# Altium PCB top.PcbDoc (part 3 of 5) (continued)
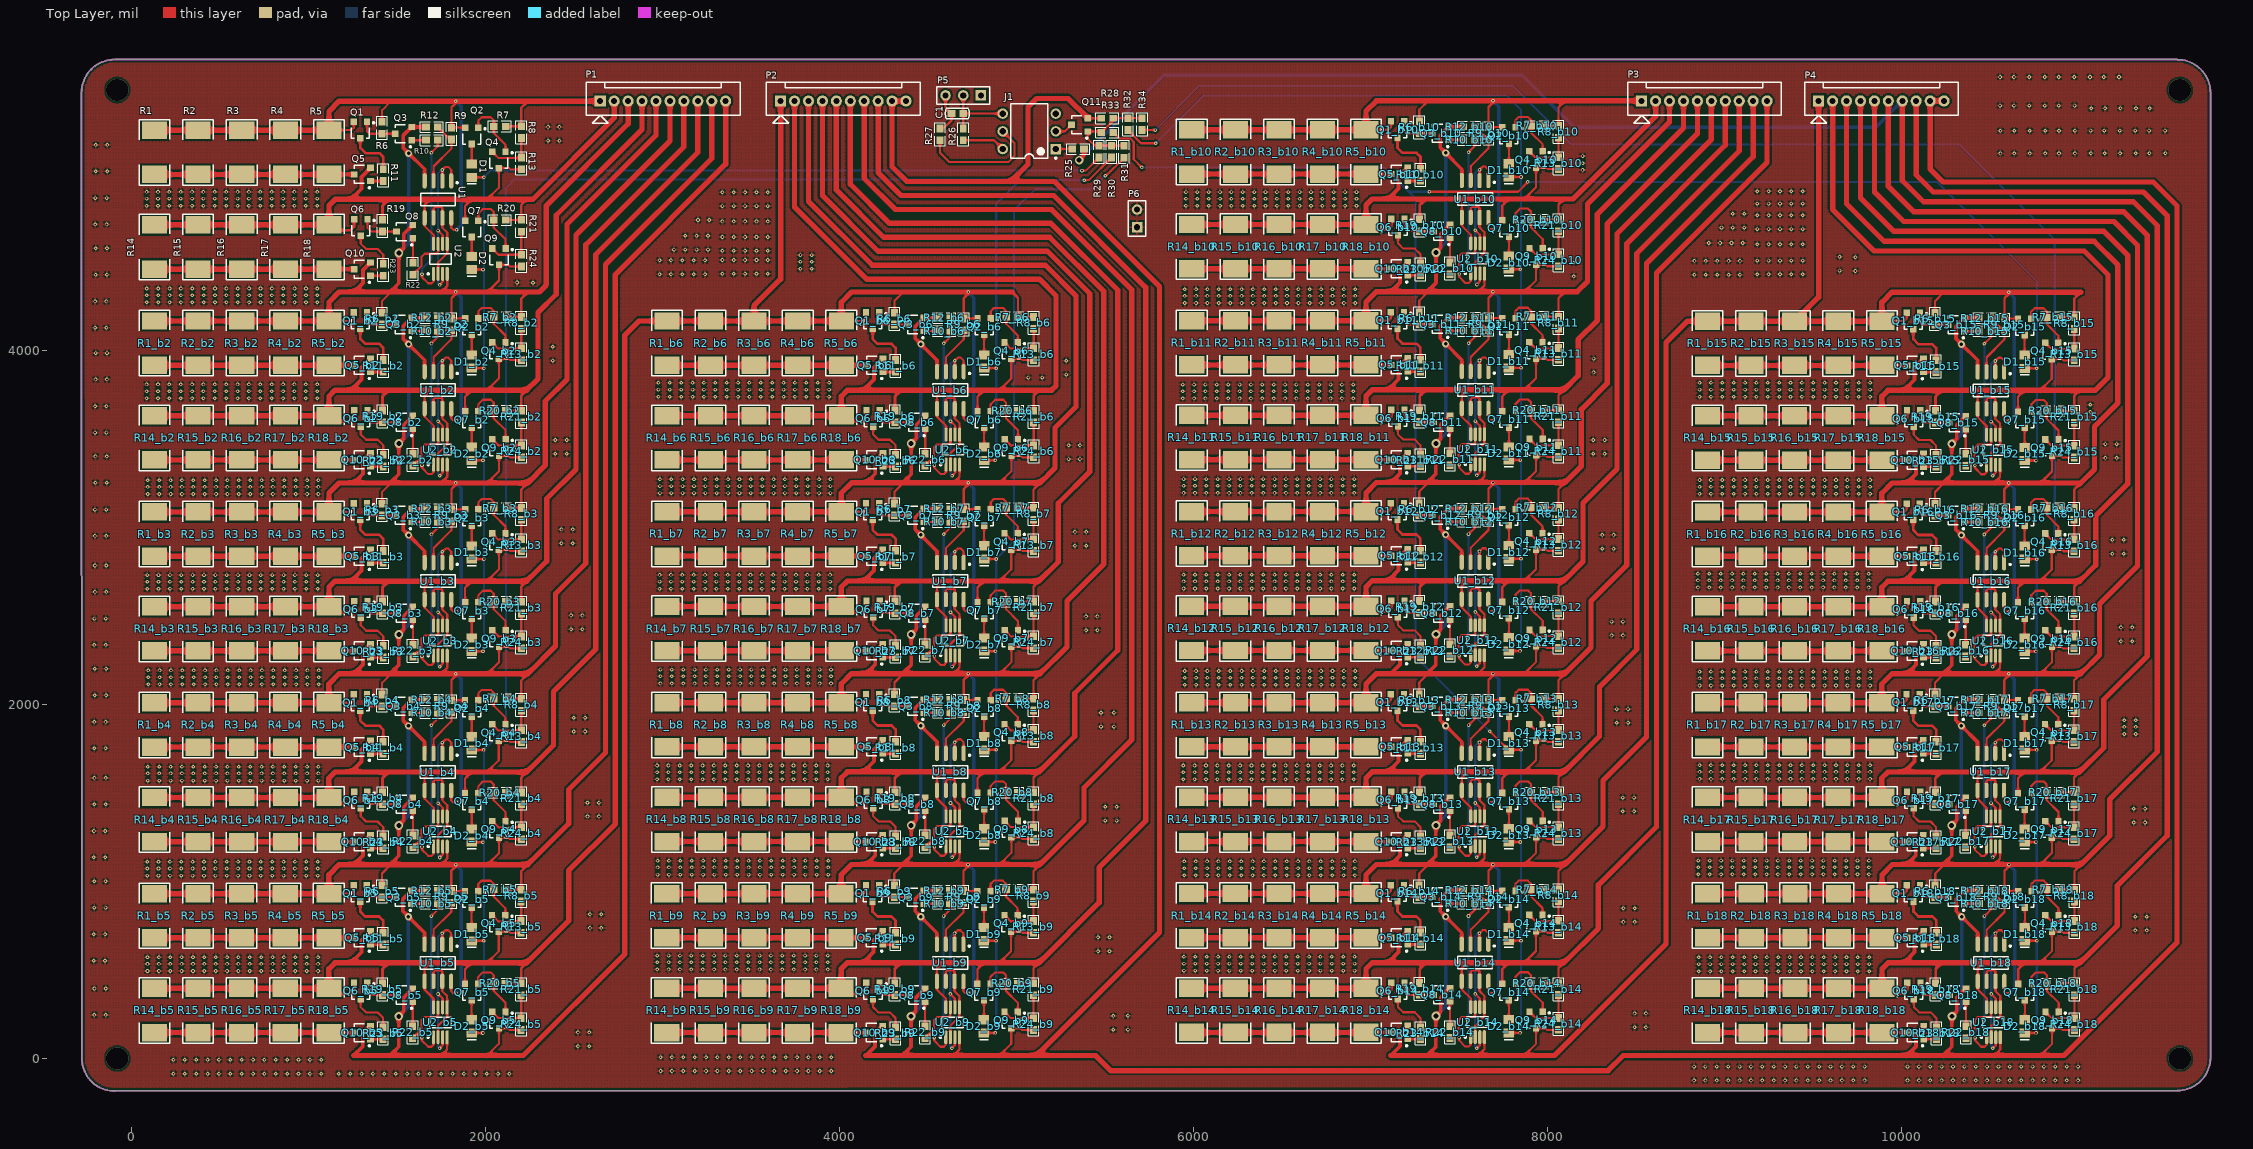
[diagram p0: Top Layer view]
## Nets (pads, with @x,y where several pads share a name; then routed paths per layer and width w, separated by ;. In a path a pad name is that pad's centre, name@x,y a point inside that pad or via, vN(x,y) a via of type N, cw(c..) or ccw(c..) an arc to the next point about the centre after c; other vN are vias at no path point) (continued)
6594.5,4347 6658.75,4347 6723,4347 6787.25,4347 6851.5,4347 6915.75,4347 88,4351 152.25,4351 216.5,4351 280.75,4351 345,4351 409.25,4351 473.5,4351 537.75,4351 602,4351 666.25,4351 730.5,4351 794.75,4351 859,4351 923.25,4351 987.5,4351 1051.75,4351 2270,4384 2180,4385 8150,4419 -201.25,4429 -137,4429 8832,4429 8896.25,4429 8960.5,4429 9024.75,4429 9089,4429 9187,4431 9251.25,4431 9315.5,4431 9379.75,4431 9444,4431 2985,4432 3049.25,4432 3113.5,4432 3177.75,4432 3242,4432 3340,4434 3404.25,4434 3468.5,4434 3532.75,4434 3597,4434 9742,4450 9652,4452 3781,4462 3845.25,4462 8150,4497 3781,4502 3845.25,4502 8832,4507 8896.25,4507 8960.5,4507 9024.75,4507 9089,4507 9187,4509 9251.25,4509 9315.5,4509 9379.75,4509 9444,4509 2985,4510 3049.25,4510 3113.5,4510 3177.75,4510 3242,4510 3340,4512 3404.25,4512 3468.5,4512 3532.75,4512 3597,4512 9742,4528 9652,4530 3781,4540 3845.25,4540 3340,4564 3404.25,4564 3468.5,4564 3532.75,4564 3597,4564 3066,4571 3130.25,4571 3194.5,4571 3258.75,4571 -201,4578 -136.75,4578 9187,4601 9251.25,4601 9315.5,4601 9379.75,4601 9444,4601 8913,4608 8977.25,4608 9041.5,4608 9105.75,4608 3340,4642 3404.25,4642 3468.5,4642 3532.75,4642 3597,4642 3130.25,4649 3194.5,4649 3258.75,4649 9187,4687 9251.25,4687 9315.5,4687 9379.75,4687 9444,4687 8985,4695 9049.25,4695 9113.5,4695 -203.25,4713 -139,4713 3340,4730 3404.25,4730 3468.5,4730 3532.75,4730 3597,4730 3202.25,4738 3266.5,4738 9187,4765 9251.25,4765 9315.5,4765 9379.75,4765 9444,4765 9049.25,4773 9113.5,4773 3340,4817 3404.25,4817 3468.5,4817 3532.75,4817 3597,4817 5959,4818 6023.25,4818 6087.5,4818 6151.75,4818 6216,4818 6280.25,4818 6344.5,4818 6408.75,4818 6473,4818 6537.25,4818 6601.5,4818 6665.75,4818 6730,4818 6794.25,4818 6858.5,4818 6922.75,4818 87,4819 151.25,4819 215.5,4819 279.75,4819 344,4819 408.25,4819 472.5,4819 536.75,4819 601,4819 665.25,4819 729.5,4819 793.75,4819 858,4819 922.25,4819 986.5,4819 1050.75,4819 9187,4831 9251.25,4831 9315.5,4831 9379.75,4831 9444,4831 5959,4858 6023.25,4858 6087.5,4858 6151.75,4858 6216,4858 6280.25,4858 6344.5,4858 6408.75,4858 6473,4858 6537.25,4858 6601.5,4858 6665.75,4858 6730,4858 6794.25,4858 6858.5,4858 6922.75,4858 87,4859 151.25,4859 215.5,4859 279.75,4859 344,4859 408.25,4859 472.5,4859 536.75,4859 601,4859 665.25,4859 729.5,4859 793.75,4859 858,4859 922.25,4859 986.5,4859 1050.75,4859 -203,4862 -138.75,4862 3340,4895 3404.25,4895 3468.5,4895 3532.75,4895 3597,4895 5959,4896 6023.25,4896 6087.5,4896 6151.75,4896 6216,4896 6280.25,4896 6344.5,4896 6408.75,4896 6473,4896 6537.25,4896 6601.5,4896 6665.75,4896 6730,4896 6794.25,4896 6858.5,4896 6922.75,4896 87,4897 151.25,4897 215.5,4897 279.75,4897 344,4897 408.25,4897 472.5,4897 536.75,4897 601,4897 665.25,4897 729.5,4897 793.75,4897 858,4897 922.25,4897 986.5,4897 1050.75,4897 9187,4900 9251.25,4900 9315.5,4900 9379.75,4900 9444,4900 -200.25,5013 -136,5013 8200,5021 8200,5059 8200,5099 10561,5114.25 10639,5114.25 10726,5114.25 10814,5114.25 10892,5114.25 10982,5114.25 11072,5115 11150,5115 11237,5115 11325,5115 11403,5115 11493,5115 -200,5162 -135.75,5162 2355,5186 2419.25,5186 10561,5242.75 10639,5242.75 10726,5242.75 10814,5242.75 10892,5242.75 10982,5242.75 11070,5243 11148,5243 11235,5243 11323,5243 11401,5243 11491,5243 2355,5264 2419.25,5264 11074,5370 11152,5370 11239,5370 11327,5370 11405,5370 10559,5384.75 10637,5384.75 10724,5384.75 10812,5384.75 10890,5384.75 10980,5384.75 10559,5546 10637,5546 10724,5546 10812,5546 10890,5546 10978,5546 11067,5546 11145,5546 11231,5546
IN_A0: P1.1 Q1.2 Q2.2 R1.2 R2.2 R3.2 R4.2 R5.2 R6.2 R7.2 R8.2 R9.2 U1.8 | length 4293.3
  Top Layer w12: R5.2@1117,5245.54 1117.46,5246 1243.54,5246 1257.13,5259.6 Q1.2@1257.13,5293.26 ; R6.2@1417.54,5292.46 1417.54,5359 1467,5408.46 ; U1.8@1808,4750.05 1808,4694.54 1820,4682.54 v1(1838,4682.54) ; 1844,5409.54 1809,5374.54 R9.2@1809,5260 1886.39,5260 Q2.2@1886.6,5259.8 ; R7.2@2115.46,5267.54 2203.54,5267.54 R8.2@2204,5268 2204,5372.54 2241,5409.54 2242,5409.54
  Top Layer w30: R1.2@132,5245.54 R2.2@378.25,5245.54 R3.2@624.5,5245.54 R4.2@870.75,5245.54 R5.2@1117,5245.54 1117,5351.54 1175,5409.54 v1(1834,5409.54) 1844,5409.54 2241,5409.54 ; 2242,5409.54 P1.1@2649.54,5409.54
  Bottom Layer w20: v1(1834,5409.54) 1866,5377.54 1866,4710.54 v1(1838,4682.54)
IN_A1: P1.3 Q1_b2.2 Q2_b2.2 Q3.2 Q8.2 Q9.3 Q10.2 R1_b2.2 R2_b2.2 R3_b2.2 R4_b2.2 R5_b2.2 R6_b2.2 R7_b2.2 R8_b2.2 R9_b2.2 R12.1 R24.1 U1.4 U1_b2.8 U2.4 | length 7345.3
  Top Layer w12: R5_b2.2@1117,4167.46 1117.46,4167.93 1243.54,4167.93 1257.13,4181.53 Q1_b2.2@1257.13,4215.19 ; R6_b2.2@1417.54,4214.39 1417.54,4280.93 1467,4330.39 ; 1751,4330.54 1751.93,4331.46 1785.39,4364.92 U2.4@1785.39,4433.89 ; U1_b2.8@1808,3671.98 1808,3616.46 1820,3604.46 v1(1838,3604.46) ; 1844,4331.46 1809,4296.46 R9_b2.2@1809,4181.93 1886.39,4181.93 Q2_b2.2@1886.6,4181.72 ; 2012,4330.54 2012.93,4331.46 2078,4396.54 Q9.3@2078,4484.28 2130.74,4484.28 2139.94,4475.07 R24.1@2204,4475.07 ; R7_b2.2@2115.46,4189.46 2203.54,4189.46 R8_b2.2@2204,4189.93 2204,4294.46 2241,4331.46 2242,4331.46
  Top Layer w20: 1462,4330.54 1462.93,4331.46 1512,4380.54 v2(1512,4552.54) 1540,4580.54 1540,4658.68 Q8.2@1591.26,4709.94 ; U1.4@1658,4959.02 1658,5023.8 v3(1566.87,5114.94) 1535.87,5145.94 1535.87,5215.08 Q3.2@1584.13,5263.34 R12.1@1665,5263.34
  Top Layer w22: 1257,4330.54 1257.93,4331.46 1309,4382.54 1309,4454.68 Q10.2@1352.26,4497.94
  Top Layer w30: R1_b2.2@132,4167.46 R2_b2.2@378.25,4167.46 R3_b2.2@624.5,4167.46 R4_b2.2@870.75,4167.46 R5_b2.2@1117,4167.46 1117,4273.46 1175,4331.46 1257.93,4331.46 1462.93,4331.46 1751.93,4331.46 v1(1834,4331.46) 1844,4331.46 2012.93,4331.46 2241,4331.46 ; 2242,4331.46 2306.14,4331.46 2343,4368.32 2343,4371 2345.68,4373.68 2345.68,4820.32 2807.48,5282.12 P1.3@2807.48,5410
  Bottom Layer w20: v2(1512,4552.54) 1566.87,4607.4 v3(1566.87,5114.94) ; v1(1834,4331.46) 1866,4299.46 1866,3632.46 v1(1838,3604.46)
IN_A2: P1.5 Q1_b3.2 Q2_b3.2 Q3_b2.2 Q8_b2.2 Q9_b2.3 Q10_b2.2 R1_b3.2 R2_b3.2 R3_b3.2 R4_b3.2 R5_b3.2 R6_b3.2 R7_b3.2 R8_b3.2 R9_b3.2 R12_b2.1 R24_b2.1 U1_b2.4 U1_b3.8 U2_b2.4 | length 8451.3
  Top Layer w12: R5_b3.2@1117,3088.54 1117.46,3089 1243.54,3089 1257.13,3102.6 Q1_b3.2@1257.13,3136.26 ; R6_b3.2@1417.54,3135.46 1417.54,3202 1467,3251.46 ; 1751,3252.46 1751.07,3252.54 1785.39,3286.85 U2_b2.4@1785.39,3355.82 ; U1_b3.8@1808,2593.05 1808,2537.54 1820,2525.54 v1(1838,2525.54) ; 1844,3252.54 1809,3217.54 R9_b3.2@1809,3103 1886.39,3103 Q2_b3.2@1886.6,3102.8 ; 2012,3252.46 2012.07,3252.54 2078,3318.46 Q9_b2.3@2078,3406.2 2130.74,3406.2 2139.94,3397 R24_b2.1@2204,3397 ; R7_b3.2@2115.46,3110.54 2203.54,3110.54 R8_b3.2@2204,3111 2204,3215.54 2241,3252.54
  Top Layer w20: 1462,3252.46 1462.07,3252.54 1512,3302.46 v2(1512,3474.46) 1540,3502.46 1540,3580.61 Q8_b2.2@1591.26,3631.87 ; U1_b2.4@1658,3880.95 1658,3945.73 v3(1566.87,4036.87) 1535.87,4067.87 1535.87,4137.01 Q3_b2.2@1584.13,4185.27 R12_b2.1@1665,4185.27
  Top Layer w22: 1257,3252.46 1257.07,3252.54 1309,3304.46 1309,3376.61 Q10_b2.2@1352.26,3419.87
  Top Layer w30: R1_b3.2@132,3088.54 R2_b3.2@378.25,3088.54 R3_b3.2@624.5,3088.54 R4_b3.2@870.75,3088.54 R5_b3.2@1117,3088.54 1117,3194.54 1175,3252.54 1257.07,3252.54 1462.07,3252.54 1751.07,3252.54 v1(1834,3252.54) 1844,3252.54 2012.07,3252.54 2241,3252.54 2339,3350.54 2339,3714 2462,3837 2462,4713.93 2964.96,5216.89 P1.5@2964.96,5410
  Bottom Layer w20: v2(1512,3474.46) 1566.87,3529.33 v3(1566.87,4036.87) ; v1(1834,3252.54) 1866,3220.54 1866,2553.54 v1(1838,2525.54)
IN_A3: P1.7 Q1_b4.2 Q2_b4.2 Q3_b3.2 Q8_b3.2 Q9_b3.3 Q10_b3.2 R1_b4.2 R2_b4.2 R3_b4.2 R4_b4.2 R5_b4.2 R6_b4.2 R7_b4.2 R8_b4.2 R9_b4.2 R12_b3.1 R24_b3.1 U1_b3.4 U1_b4.8 U2_b3.4 | length 9594.9
  Top Layer w12: R5_b4.2@1116.87,2010.2 1117.34,2010.66 1243.41,2010.66 1257.01,2024.26 Q1_b4.2@1257.01,2057.92 ; R6_b4.2@1417.41,2057.13 1417.41,2123.66 1466.87,2173.13 ; 1751,2173.54 1751.66,2174.2 1785.39,2207.92 U2_b3.4@1785.39,2276.89 ; U1_b4.8@1807.87,1514.71 1807.87,1459.2 1819.87,1447.2 v1(1837.87,1447.2) ; 1843.87,2174.2 1808.87,2139.2 R9_b4.2@1808.87,2024.66 1886.27,2024.66 Q2_b4.2@1886.47,2024.46 ; 2012,2173.54 2012.66,2174.2 2078,2239.54 Q9_b3.3@2078,2327.28 2130.74,2327.28 2139.94,2318.07 R24_b3.1@2204,2318.07 ; R7_b4.2@2115.34,2032.2 2203.41,2032.2 R8_b4.2@2203.87,2032.66 2203.87,2137.2 2240.87,2174.2
  Top Layer w20: 1462,2173.54 1462.66,2174.2 1512,2223.54 v2(1512,2395.54) 1540,2423.54 1540,2501.68 Q8_b3.2@1591.26,2552.94 ; U1_b3.4@1658,2802.02 1658,2866.8 v3(1566.87,2957.94) 1535.87,2988.94 1535.87,3058.08 Q3_b3.2@1584.13,3106.34 R12_b3.1@1665,3106.34
  Top Layer w22: 1257,2173.54 1257.66,2174.2 1309,2225.54 1309,2297.68 Q10_b3.2@1352.26,2340.94
  Top Layer w30: R1_b4.2@131.87,2010.2 R2_b4.2@378.12,2010.2 R3_b4.2@624.37,2010.2 R4_b4.2@870.62,2010.2 R5_b4.2@1116.87,2010.2 1116.87,2116.2 1174.87,2174.2 1257.66,2174.2 1462.66,2174.2 1751.66,2174.2 v1(1833.87,2174.2) 1843.87,2174.2 2012.66,2174.2 2240.87,2174.2 2397,2330.32 2397,2626.61 2568.39,2798 2568.39,4597.61 3122.44,5151.66 P1.7@3122.44,5410
  Bottom Layer w20: v2(1512,2395.54) 1566.87,2450.4 v3(1566.87,2957.94) ; v1(1833.87,2174.2) 1865.87,2142.2 1865.87,1475.2 v1(1837.87,1447.2)
IN_A4: P1.9 Q1_b5.2 Q2_b5.2 Q3_b4.2 Q8_b4.2 Q9_b4.3 Q10_b4.2 R1_b5.2 R2_b5.2 R3_b5.2 R4_b5.2 R5_b5.2 R6_b5.2 R7_b5.2 R8_b5.2 R9_b5.2 R12_b4.1 R24_b4.1 U1_b4.4 U1_b5.8 U2_b4.4 | length 10738.4
  Top Layer w12: R5_b5.2@1116.46,932.07 1116.93,932.54 1243,932.54 1256.6,946.13 Q1_b5.2@1256.6,979.8 ; R6_b5.2@1417,979 1417,1045.54 1466.46,1095 ; 1750.87,1095.2 1751.75,1096.07 1785.26,1129.58 U2_b4.4@1785.26,1198.55 ; U1_b5.8@1807.46,436.58 1807.46,381.07 1819.46,369.07 v1(1837.46,369.07) ; 1843.46,1096.07 1808.46,1061.07 R9_b5.2@1808.46,946.54 1885.86,946.54 Q2_b5.2@1886.06,946.33 ; 2011.87,1095.2 2012.75,1096.07 2077.87,1161.2 Q9_b4.3@2077.87,1248.94 2130.61,1248.94 2139.82,1239.73 R24_b4.1@2203.87,1239.73 ; R7_b5.2@2114.93,954.07 2203,954.07 R8_b5.2@2203.46,954.54 2203.46,1059.07 2240.46,1096.07
  Top Layer w20: 1461.87,1095.2 1462.75,1096.07 1511.87,1145.2 v2(1511.87,1317.2) 1539.87,1345.2 1539.87,1423.34 Q8_b4.2@1591.13,1474.6 ; U1_b4.4@1657.87,1723.68 1657.87,1788.46 v3(1566.74,1879.6) 1535.74,1910.6 1535.74,1979.74 Q3_b4.2@1584,2028 R12_b4.1@1664.87,2028
  Top Layer w22: 1256.87,1095.2 1257.75,1096.07 1308.87,1147.2 1308.87,1219.34 Q10_b4.2@1352.13,1262.6
  Top Layer w30: R1_b5.2@131.46,932.07 R2_b5.2@377.71,932.07 R3_b5.2@623.96,932.07 R4_b5.2@870.21,932.07 R5_b5.2@1116.46,932.07 1116.46,1038.07 1174.46,1096.07 1257.75,1096.07 1462.75,1096.07 1751.75,1096.07 v1(1833.46,1096.07) 1843.46,1096.07 2012.75,1096.07 2240.46,1096.07 2472,1327.61 2472,1520.26 2679.74,1728 2679.74,4486.26 3279.92,5086.43 P1.9@3279.92,5410
  Bottom Layer w20: v2(1511.87,1317.2) 1566.74,1372.06 v3(1566.74,1879.6) ; v1(1833.46,1096.07) 1865.46,1064.07 1865.46,397.07 v1(1837.46,369.07)
IN_A5: P2.1 Q1_b6.2 Q2_b6.2 Q3_b5.2 Q8_b5.2 Q9_b5.3 Q10_b5.2 R1_b6.2 R2_b6.2 R3_b6.2 R4_b6.2 R5_b6.2 R6_b6.2 R7_b6.2 R8_b6.2 R9_b6.2 R12_b5.1 R24_b5.1 U1_b5.4 U1_b6.8 U2_b5.4 | length 12676.6
  Top Layer w12: 1750.46,17.07 1784.85,51.46 U2_b5.4@1784.85,120.43 ; 2011.46,17.07 2077.46,83.07 Q9_b5.3@2077.46,170.81 2130.2,170.81 2139.41,161.61 R24_b5.1@2203.46,161.61 ; R5_b6.2@4012,4167.46 4012.46,4167.93 4138.54,4167.93 4152.13,4181.53 Q1_b6.2@4152.13,4215.19 ; R6_b6.2@4312.54,4214.39 4312.54,4280.93 4362,4330.39 ; U1_b6.8@4703,3671.98 4703,3616.46 4715,3604.46 v1(4733,3604.46) ; 4739,4331.46 4704,4296.46 R9_b6.2@4704,4181.93 4781.39,4181.93 Q2_b6.2@4781.6,4181.72 ; 4977,4331.46 5010.46,4298 R7_b6.2@5010.46,4189.46 5098.54,4189.46 R8_b6.2@5099,4189.93
  Top Layer w20: 1461.46,17.07 1511.46,67.07 v2(1511.46,239.07) 1539.46,267.07 1539.46,345.21 Q8_b5.2@1590.72,396.47 ; U1_b5.4@1657.46,645.56 1657.46,710.34 v3(1566.33,801.47) 1535.33,832.47 1535.33,901.61 Q3_b5.2@1583.59,949.87 R12_b5.1@1664.46,949.87
  Top Layer w22: 1256.46,17.07 1308.46,69.07 1308.46,141.21 Q10_b5.2@1351.72,184.47
  Top Layer w30: 1256.46,17.07 1461.46,17.07 1750.46,17.07 2011.46,17.07 2215.07,17.07 2789,591 2789,4088 2868.46,4167.46 R1_b6.2@3027,4167.46 R2_b6.2@3273.25,4167.46 R3_b6.2@3519.5,4167.46 ; P2.1@3669,5410 3669,4404 3519.5,4254.5 R3_b6.2@3519.5,4167.46 ; 4977,4331.46 4739,4331.46 v1(4729,4331.46) 4070,4331.46 4012,4273.46 R5_b6.2@4012,4167.46 R4_b6.2@3765.75,4167.46 R3_b6.2@3519.5,4167.46
  Bottom Layer w20: v2(1511.46,239.07) 1566.33,293.94 v3(1566.33,801.47) ; v1(4729,4331.46) 4761,4299.46 4761,3632.46 v1(4733,3604.46)
IN_A6: P2.3 Q1_b7.2 Q2_b7.2 Q3_b6.2 Q8_b6.2 Q9_b6.3 Q10_b6.2 R1_b7.2 R2_b7.2 R3_b7.2 R4_b7.2 R5_b7.2 R6_b7.2 R7_b7.2 R8_b7.2 R9_b7.2 R12_b6.1 R24_b6.1 U1_b6.4 U1_b7.8 U2_b6.4 | length 9433
  Top Layer w12: R5_b7.2@4011.87,3089.2 4012.34,3089.66 4138.41,3089.66 4152.01,3103.26 Q1_b7.2@4152.01,3136.92 ; R6_b7.2@4312.41,3136.13 4312.41,3202.66 4361.87,3252.13 ; 4646,3252.46 4646.73,3253.2 4680.39,3286.85 U2_b6.4@4680.39,3355.82 ; U1_b7.8@4702.87,2593.71 4702.87,2538.2 4714.87,2526.2 v1(4732.87,2526.2) ; 4738.87,3253.2 4703.87,3218.2 R9_b7.2@4703.87,3103.66 4781.27,3103.66 Q2_b7.2@4781.47,3103.46 ; 4907,3252.46 4907.73,3253.2 4973,3318.46 Q9_b6.3@4973,3406.2 5025.74,3406.2 5034.94,3397 R24_b6.1@5099,3397 ; R7_b7.2@5010.34,3111.2 5098.41,3111.2 R8_b7.2@5098.87,3111.66 5098.87,3216.2 5135.87,3253.2
  Top Layer w20: 4357,3252.46 4357.73,3253.2 4407,3302.46 v2(4407,3474.46) 4435,3502.46 4435,3580.61 Q8_b6.2@4486.26,3631.87 ; U1_b6.4@4553,3880.95 4553,3945.73 v3(4461.87,4036.87) 4430.87,4067.87 4430.87,4137.01 Q3_b6.2@4479.13,4185.27 R12_b6.1@4560,4185.27
  Top Layer w22: 4152,3252.46 4152.73,3253.2 4204,3304.46 4204,3376.61 Q10_b6.2@4247.26,3419.87
  Top Layer w30: R1_b7.2@3026.87,3089.2 R2_b7.2@3273.12,3089.2 R3_b7.2@3519.37,3089.2 R4_b7.2@3765.62,3089.2 R5_b7.2@4011.87,3089.2 4011.87,3195.2 4069.87,3253.2 4152.73,3253.2 4357.73,3253.2 4646.73,3253.2 v1(4728.87,3253.2) 4738.87,3253.2 4907.73,3253.2 5135.87,3253.2 5219,3336.32 5219,3564.26 5337.74,3683 5337.74,4309.26 5164.18,4482.82 4186.69,4482.82 3826.48,4843.03 P2.3@3826.48,5410
  Bottom Layer w20: v2(4407,3474.46) 4461.87,3529.33 v3(4461.87,4036.87) ; v1(4728.87,3253.2) 4760.87,3221.2 4760.87,2554.2 v1(4732.87,2526.2)
IN_A7: P2.5 Q1_b8.2 Q2_b8.2 Q3_b7.2 Q8_b7.2 Q9_b7.3 Q10_b7.2 R1_b8.2 R2_b8.2 R3_b8.2 R4_b8.2 R5_b8.2 R6_b8.2 R7_b8.2 R8_b8.2 R9_b8.2 R12_b7.1 R24_b7.1 U1_b7.4 U1_b8.8 U2_b7.4 | length 10552.9
  Top Layer w12: R5_b8.2@4011.87,2011.2 4012.34,2011.66 4138.41,2011.66 4152.01,2025.26 Q1_b8.2@4152.01,2058.92 ; R6_b8.2@4312.41,2058.13 4312.41,2124.66 4361.87,2174.13 ; 4645.87,2174.2 4646.87,2175.2 4680.26,2208.58 U2_b7.4@4680.26,2277.55 ; U1_b8.8@4702.87,1515.71 4702.87,1460.2 4714.87,1448.2 v1(4732.87,1448.2) ; 4738.87,2175.2 4703.87,2140.2 R9_b8.2@4703.87,2025.66 4781.27,2025.66 Q2_b8.2@4781.47,2025.46 ; 4906.87,2174.2 4907.87,2175.2 4972.87,2240.2 Q9_b7.3@4972.87,2327.94 5025.61,2327.94 5034.82,2318.73 R24_b7.1@5098.87,2318.73 ; R7_b8.2@5010.34,2033.2 5098.41,2033.2 R8_b8.2@5098.87,2033.66 5098.87,2138.2 5135.87,2175.2
  Top Layer w20: 4356.87,2174.2 4357.87,2175.2 4406.87,2224.2 v2(4406.87,2396.2) 4434.87,2424.2 4434.87,2502.34 Q8_b7.2@4486.13,2553.6 ; U1_b7.4@4552.87,2802.68 4552.87,2867.46 v3(4461.74,2958.6) 4430.74,2989.6 4430.74,3058.74 Q3_b7.2@4479,3107 R12_b7.1@4559.87,3107
  Top Layer w22: 4151.87,2174.2 4152.87,2175.2 4203.87,2226.2 4203.87,2298.34 Q10_b7.2@4247.13,2341.6
  Top Layer w30: R1_b8.2@3026.87,2011.2 R2_b8.2@3273.12,2011.2 R3_b8.2@3519.37,2011.2 R4_b8.2@3765.62,2011.2 R5_b8.2@4011.87,2011.2 4011.87,2117.2 4069.87,2175.2 4152.87,2175.2 4357.87,2175.2 4646.87,2175.2 v1(4728.87,2175.2) 4738.87,2175.2 4907.87,2175.2 5135.87,2175.2 5287,2326.32 5287,2585.78 5495.22,2794 5495.22,4334.78 5189.7,4640.3 4251.92,4640.3 3983.96,4908.26 P2.5@3983.96,5410
  Bottom Layer w20: v2(4406.87,2396.2) 4461.74,2451.06 v3(4461.74,2958.6) ; v1(4728.87,2175.2) 4760.87,2143.2 4760.87,1476.2 v1(4732.87,1448.2)
IN_A8: P2.7 Q1_b9.2 Q2_b9.2 Q3_b8.2 Q8_b8.2 Q9_b8.3 Q10_b8.2 R1_b9.2 R2_b9.2 R3_b9.2 R4_b9.2 R5_b9.2 R6_b9.2 R7_b9.2 R8_b9.2 R9_b9.2 R12_b8.1 R24_b8.1 U1_b8.4 U1_b9.8 U2_b8.4 | length 11665.5
  Top Layer w12: R5_b9.2@4010.87,932.2 4011.34,932.66 4137.41,932.66 4151.01,946.26 Q1_b9.2@4151.01,979.92 ; R6_b9.2@4311.41,979.13 4311.41,1045.66 4360.87,1095.13 ; 4645.87,1096.2 4680.26,1130.58 U2_b8.4@4680.26,1199.55 ; U1_b9.8@4701.87,436.71 4701.87,381.2 4713.87,369.2 v1(4731.87,369.2) ; 4737.87,1096.2 4702.87,1061.2 R9_b9.2@4702.87,946.66 4780.27,946.66 Q2_b9.2@4780.47,946.46 ; 4906.87,1096.2 4972.87,1162.2 Q9_b8.3@4972.87,1249.94 5025.61,1249.94 5034.82,1240.73 R24_b8.1@5098.87,1240.73 ; R7_b9.2@5009.34,954.2 5097.41,954.2 R8_b9.2@5097.87,954.66 5097.87,1059.2 5134.87,1096.2
  Top Layer w20: 4356.87,1096.2 4406.87,1146.2 v2(4406.87,1318.2) 4434.87,1346.2 4434.87,1424.34 Q8_b8.2@4486.13,1475.6 ; U1_b8.4@4552.87,1724.68 4552.87,1789.46 v3(4461.74,1880.6) 4430.74,1911.6 4430.74,1980.74 Q3_b8.2@4479,2029 R12_b8.1@4559.87,2029
  Top Layer w22: 4151.87,1096.2 4203.87,1148.2 4203.87,1220.34 Q10_b8.2@4247.13,1263.6
  Top Layer w30: R1_b9.2@3025.87,932.2 R2_b9.2@3272.12,932.2 R3_b9.2@3518.37,932.2 R4_b9.2@3764.62,932.2 R5_b9.2@4010.87,932.2 4010.87,1038.2 4068.87,1096.2 4151.87,1096.2 4356.87,1096.2 4645.87,1096.2 v1(4727.87,1096.2) 4737.87,1096.2 4906.87,1096.2 5134.87,1096.2 5383,1344.32 5383,1530.3 5652.7,1800 5652.7,4345.3 5200.22,4797.78 4317.15,4797.78 4141.44,4973.49 P2.7@4141.44,5410
  Bottom Layer w20: v2(4406.87,1318.2) 4461.74,1373.06 v3(4461.74,1880.6) ; v1(4727.87,1096.2) 4759.87,1064.2 4759.87,397.2 v1(4731.87,369.2)
IN_A9: P3.1 Q1_b10.2 Q2_b10.2 R1_b10.2 R2_b10.2 R3_b10.2 R4_b10.2 R5_b10.2 R6_b10.2 R7_b10.2 R8_b10.2 R9_b10.2 U1_b10.8 | length 4317.3
  Top Layer w12: R5_b10.2@6977,5247.46 6977.46,5247.93 7103.54,5247.93 7117.13,5261.53 Q1_b10.2@7117.13,5295.19 ; R6_b10.2@7277.54,5294.39 7277.54,5360.93 7327,5410.39 ; U1_b10.8@7668,4751.98 7668,4696.46 7680,4684.46 v1(7698,4684.46) ; 7704,5411.46 7669,5376.46 R9_b10.2@7669,5261.93 7746.39,5261.93 Q2_b10.2@7746.6,5261.72 ; R7_b10.2@7975.46,5269.46 8063.54,5269.46 R8_b10.2@8064,5269.93 8064,5374.46 8101,5411.46 8102,5411.46
  Top Layer w30: R1_b10.2@5992,5247.46 R2_b10.2@6238.25,5247.46 R3_b10.2@6484.5,5247.46 R4_b10.2@6730.75,5247.46 R5_b10.2@6977,5247.46 6977,5353.46 7035,5411.46 v1(7694,5411.46) 7704,5411.46 8101,5411.46 ; 8102,5411.46 P3.1@8533.54,5411.46
  Bottom Layer w20: v1(7694,5411.46) 7726,5379.46 7726,4712.46 v1(7698,4684.46)
IN_A10: P3.3 Q1_b11.2 Q2_b11.2 Q3_b10.2 Q8_b10.2 Q9_b10.3 Q10_b10.2 R1_b11.2 R2_b11.2 R3_b11.2 R4_b11.2 R5_b11.2 R6_b11.2 R7_b11.2 R8_b11.2 R9_b11.2 R12_b10.1 R24_b10.1 U1_b10.4 U1_b11.8 U2_b10.4 | length 7356.8
  Top Layer w12: R5_b11.2@6976.87,4169.2 6977.34,4169.66 7103.41,4169.66 7117.01,4183.26 Q1_b11.2@7117.01,4216.92 ; R6_b11.2@7277.41,4216.13 7277.41,4282.66 7326.87,4332.13 ; 7611,4332.46 7611.73,4333.2 7645.39,4366.85 U2_b10.4@7645.39,4435.82 ; U1_b11.8@7667.87,3673.71 7667.87,3618.2 7679.87,3606.2 v1(7697.87,3606.2) ; 7703.87,4333.2 7668.87,4298.2 R9_b11.2@7668.87,4183.66 7746.27,4183.66 Q2_b11.2@7746.47,4183.46 ; 7872,4332.46 7872.73,4333.2 7938,4398.46 Q9_b10.3@7938,4486.2 7990.74,4486.2 7999.94,4477 R24_b10.1@8064,4477 ; R7_b11.2@7975.34,4191.2 8063.41,4191.2 R8_b11.2@8063.87,4191.66 8063.87,4296.2 8100.87,4333.2 8101.87,4333.2
  Top Layer w20: 7322,4332.46 7322.73,4333.2 7372,4382.46 v2(7372,4554.46) 7400,4582.46 7400,4660.61 Q8_b10.2@7451.26,4711.87 ; U1_b10.4@7518,4960.95 7518,5025.73 v3(7426.87,5116.87) 7395.87,5147.87 7395.87,5217.01 Q3_b10.2@7444.13,5265.27 R12_b10.1@7525,5265.27
  Top Layer w22: 7117,4332.46 7117.73,4333.2 7169,4384.46 7169,4456.61 Q10_b10.2@7212.26,4499.87
  Top Layer w30: R1_b11.2@5991.87,4169.2 R2_b11.2@6238.12,4169.2 R3_b11.2@6484.37,4169.2 R4_b11.2@6730.62,4169.2 R5_b11.2@6976.87,4169.2 6976.87,4275.2 7034.87,4333.2 7117.73,4333.2 7322.73,4333.2 7611.73,4333.2 v1(7693.87,4333.2) 7703.87,4333.2 7872.73,4333.2 8100.87,4333.2 ; 8101.87,4333.2 8169.87,4333.2 8227.68,4391 8227.68,4827.32 8691.48,5291.12 P3.3@8691.48,5411
  Bottom Layer w20: v2(7372,4554.46) 7426.87,4609.33 v3(7426.87,5116.87) ; v1(7693.87,4333.2) 7725.87,4301.2 7725.87,3634.2 v1(7697.87,3606.2)
IN_A11: P3.5 Q1_b12.2 Q2_b12.2 Q3_b11.2 Q8_b11.2 Q9_b11.3 Q10_b11.2 R1_b12.2 R2_b12.2 R3_b12.2 R4_b12.2 R5_b12.2 R6_b12.2 R7_b12.2 R8_b12.2 R9_b12.2 R12_b11.1 R24_b11.1 U1_b11.4 U1_b12.8 U2_b11.4 | length 8460.3
  Top Layer w12: R5_b12.2@6976.6,3090.6 6977.06,3091.06 7103.13,3091.06 7116.73,3104.66 Q1_b12.2@7116.73,3138.32 ; R6_b12.2@7277.13,3137.53 7277.13,3204.06 7326.6,3253.53 ; 7610.87,3254.2 7611.28,3254.6 7645.26,3288.58 U2_b11.4@7645.26,3357.55 ; U1_b12.8@7667.6,2595.11 7667.6,2539.6 7679.6,2527.6 v1(7697.6,2527.6) ; 7703.6,3254.6 7668.6,3219.6 R9_b12.2@7668.6,3105.06 7745.99,3105.06 Q2_b12.2@7746.2,3104.86 ; 7871.87,3254.2 7872.28,3254.6 7937.87,3320.2 Q9_b11.3@7937.87,3407.94 7990.61,3407.94 7999.82,3398.73 R24_b11.1@8063.87,3398.73 ; R7_b12.2@7975.06,3112.6 8063.13,3112.6 R8_b12.2@8063.6,3113.06 8063.6,3217.6 8100.6,3254.6
  Top Layer w20: 7321.87,3254.2 7322.28,3254.6 7371.87,3304.2 v2(7371.87,3476.2) 7399.87,3504.2 7399.87,3582.34 Q8_b11.2@7451.13,3633.6 ; U1_b11.4@7517.87,3882.68 7517.87,3947.46 v3(7426.74,4038.6) 7395.74,4069.6 7395.74,4138.74 Q3_b11.2@7444,4187 R12_b11.1@7524.87,4187
  Top Layer w22: 7116.87,3254.2 7117.28,3254.6 7168.87,3306.2 7168.87,3378.34 Q10_b11.2@7212.13,3421.6
  Top Layer w30: R1_b12.2@5991.6,3090.6 R2_b12.2@6237.85,3090.6 R3_b12.2@6484.1,3090.6 R4_b12.2@6730.35,3090.6 R5_b12.2@6976.6,3090.6 6976.6,3196.6 7034.6,3254.6 7117.28,3254.6 7322.28,3254.6 7611.28,3254.6 v1(7693.6,3254.6) 7703.6,3254.6 7872.28,3254.6 8100.6,3254.6 8193.03,3347.03 8193.03,3668 8339.03,3814 8339.03,4715.97 8848.96,5225.89 P3.5@8848.96,5411
  Bottom Layer w20: v2(7371.87,3476.2) 7426.74,3531.06 v3(7426.74,4038.6) ; v1(7693.6,3254.6) 7725.6,3222.6 7725.6,2555.6 v1(7697.6,2527.6)
IN_A12: P3.7 Q1_b13.2 Q2_b13.2 Q3_b12.2 Q8_b12.2 Q9_b12.3 Q10_b12.2 R1_b13.2 R2_b13.2 R3_b13.2 R4_b13.2 R5_b13.2 R6_b13.2 R7_b13.2 R8_b13.2 R9_b13.2 R12_b12.1 R24_b12.1 U1_b12.4 U1_b13.8 U2_b12.4 | length 9604.9
  Top Layer w12: R5_b13.2@6976.87,2011.2 6977.34,2011.66 7103.41,2011.66 7117.01,2025.26 Q1_b13.2@7117.01,2058.92 ; R6_b13.2@7277.41,2058.13 7277.41,2124.66 7326.87,2174.13 ; 7610.6,2175.6 7644.98,2209.98 U2_b12.4@7644.98,2278.95 ; U1_b13.8@7667.87,1515.71 7667.87,1460.2 7679.87,1448.2 v1(7697.87,1448.2) ; 7703.87,2175.2 7668.87,2140.2 R9_b13.2@7668.87,2025.66 7746.27,2025.66 Q2_b13.2@7746.47,2025.46 ; 7871.6,2175.6 7937.6,2241.6 Q9_b12.3@7937.6,2329.34 7990.34,2329.34 7999.54,2320.13 R24_b12.1@8063.6,2320.13 ; R7_b13.2@7975.34,2033.2 8063.41,2033.2 R8_b13.2@8063.87,2033.66 8063.87,2138.2 8100.87,2175.2
  Top Layer w20: 7321.6,2175.6 7371.6,2225.6 v2(7371.6,2397.6) 7399.6,2425.6 7399.6,2503.74 Q8_b12.2@7450.86,2555 ; U1_b12.4@7517.6,2804.09 7517.6,2868.87 v3(7426.46,2960) 7395.46,2991 7395.46,3060.14 Q3_b12.2@7443.72,3108.4 R12_b12.1@7524.6,3108.4
  Top Layer w22: 7116.6,2175.6 7168.6,2227.6 7168.6,2299.74 Q10_b12.2@7211.86,2343
  Top Layer w30: R1_b13.2@5991.87,2011.2 R2_b13.2@6238.12,2011.2 R3_b13.2@6484.37,2011.2 R4_b13.2@6730.62,2011.2 R5_b13.2@6976.87,2011.2 6976.87,2117.2 7034.87,2175.2 v1(7693.87,2175.2) 7703.87,2175.2 8100.87,2175.2 8248,2322.32 8248,2585.61 8450.39,2788 8450.39,4604.61 9006.44,5160.66 P3.7@9006.44,5411
  Bottom Layer w20: v2(7371.6,2397.6) 7426.46,2452.46 v3(7426.46,2960) ; v1(7693.87,2175.2) 7725.87,2143.2 7725.87,1476.2 v1(7697.87,1448.2)
IN_A13: P3.9 Q1_b14.2 Q2_b14.2 Q3_b13.2 Q8_b13.2 Q9_b13.3 Q10_b13.2 R1_b14.2 R2_b14.2 R3_b14.2 R4_b14.2 R5_b14.2 R6_b14.2 R7_b14.2 R8_b14.2 R9_b14.2 R12_b13.1 R24_b13.1 U1_b13.4 U1_b14.8 U2_b13.4 | length 10748.7
  Top Layer w12: R5_b14.2@6976.6,932.74 6977.06,933.2 7103.13,933.2 7116.73,946.8 Q1_b14.2@7116.73,980.46 ; R6_b14.2@7277.13,979.67 7277.13,1046.2 7326.6,1095.67 ; 7610.87,1096.2 7611.42,1096.74 7645.26,1130.58 U2_b13.4@7645.26,1199.55 ; U1_b14.8@7667.6,437.25 7667.6,381.74 7679.6,369.74 v1(7697.6,369.74) ; 7703.6,1096.74 7668.6,1061.74 R9_b14.2@7668.6,947.2 7745.99,947.2 Q2_b14.2@7746.2,947 ; 7871.87,1096.2 7872.42,1096.74 7937.87,1162.2 Q9_b13.3@7937.87,1249.94 7990.61,1249.94 7999.82,1240.73 R24_b13.1@8063.87,1240.73 ; R7_b14.2@7975.06,954.74 8063.13,954.74 R8_b14.2@8063.6,955.2 8063.6,1059.74 8100.6,1096.74
  Top Layer w20: 7321.87,1096.2 7322.42,1096.74 7371.87,1146.2 v2(7371.87,1318.2) 7399.87,1346.2 7399.87,1424.34 Q8_b13.2@7451.13,1475.6 ; U1_b13.4@7517.87,1724.68 7517.87,1789.46 v3(7426.74,1880.6) 7395.74,1911.6 7395.74,1980.74 Q3_b13.2@7444,2029 R12_b13.1@7524.87,2029
  Top Layer w22: 7116.87,1096.2 7117.42,1096.74 7168.87,1148.2 7168.87,1220.34 Q10_b13.2@7212.13,1263.6
  Top Layer w30: R1_b14.2@5991.6,932.74 R2_b14.2@6237.85,932.74 R3_b14.2@6484.1,932.74 R4_b14.2@6730.35,932.74 R5_b14.2@6976.6,932.74 6976.6,1038.74 7034.6,1096.74 7117.42,1096.74 7322.42,1096.74 7611.42,1096.74 v1(7693.6,1096.74) 7703.6,1096.74 7872.42,1096.74 8100.6,1096.74 8316,1312.14 8316,1571.26 8561.74,1817 8561.74,4493.26 9163.92,5095.43 P3.9@9163.92,5411
  Bottom Layer w20: v2(7371.87,1318.2) 7426.74,1373.06 v3(7426.74,1880.6) ; v1(7693.6,1096.74) 7725.6,1064.74 7725.6,397.74 v1(7697.6,369.74)